# Altium PCB PCB3.PcbDoc (part 1 of 8) (continued)
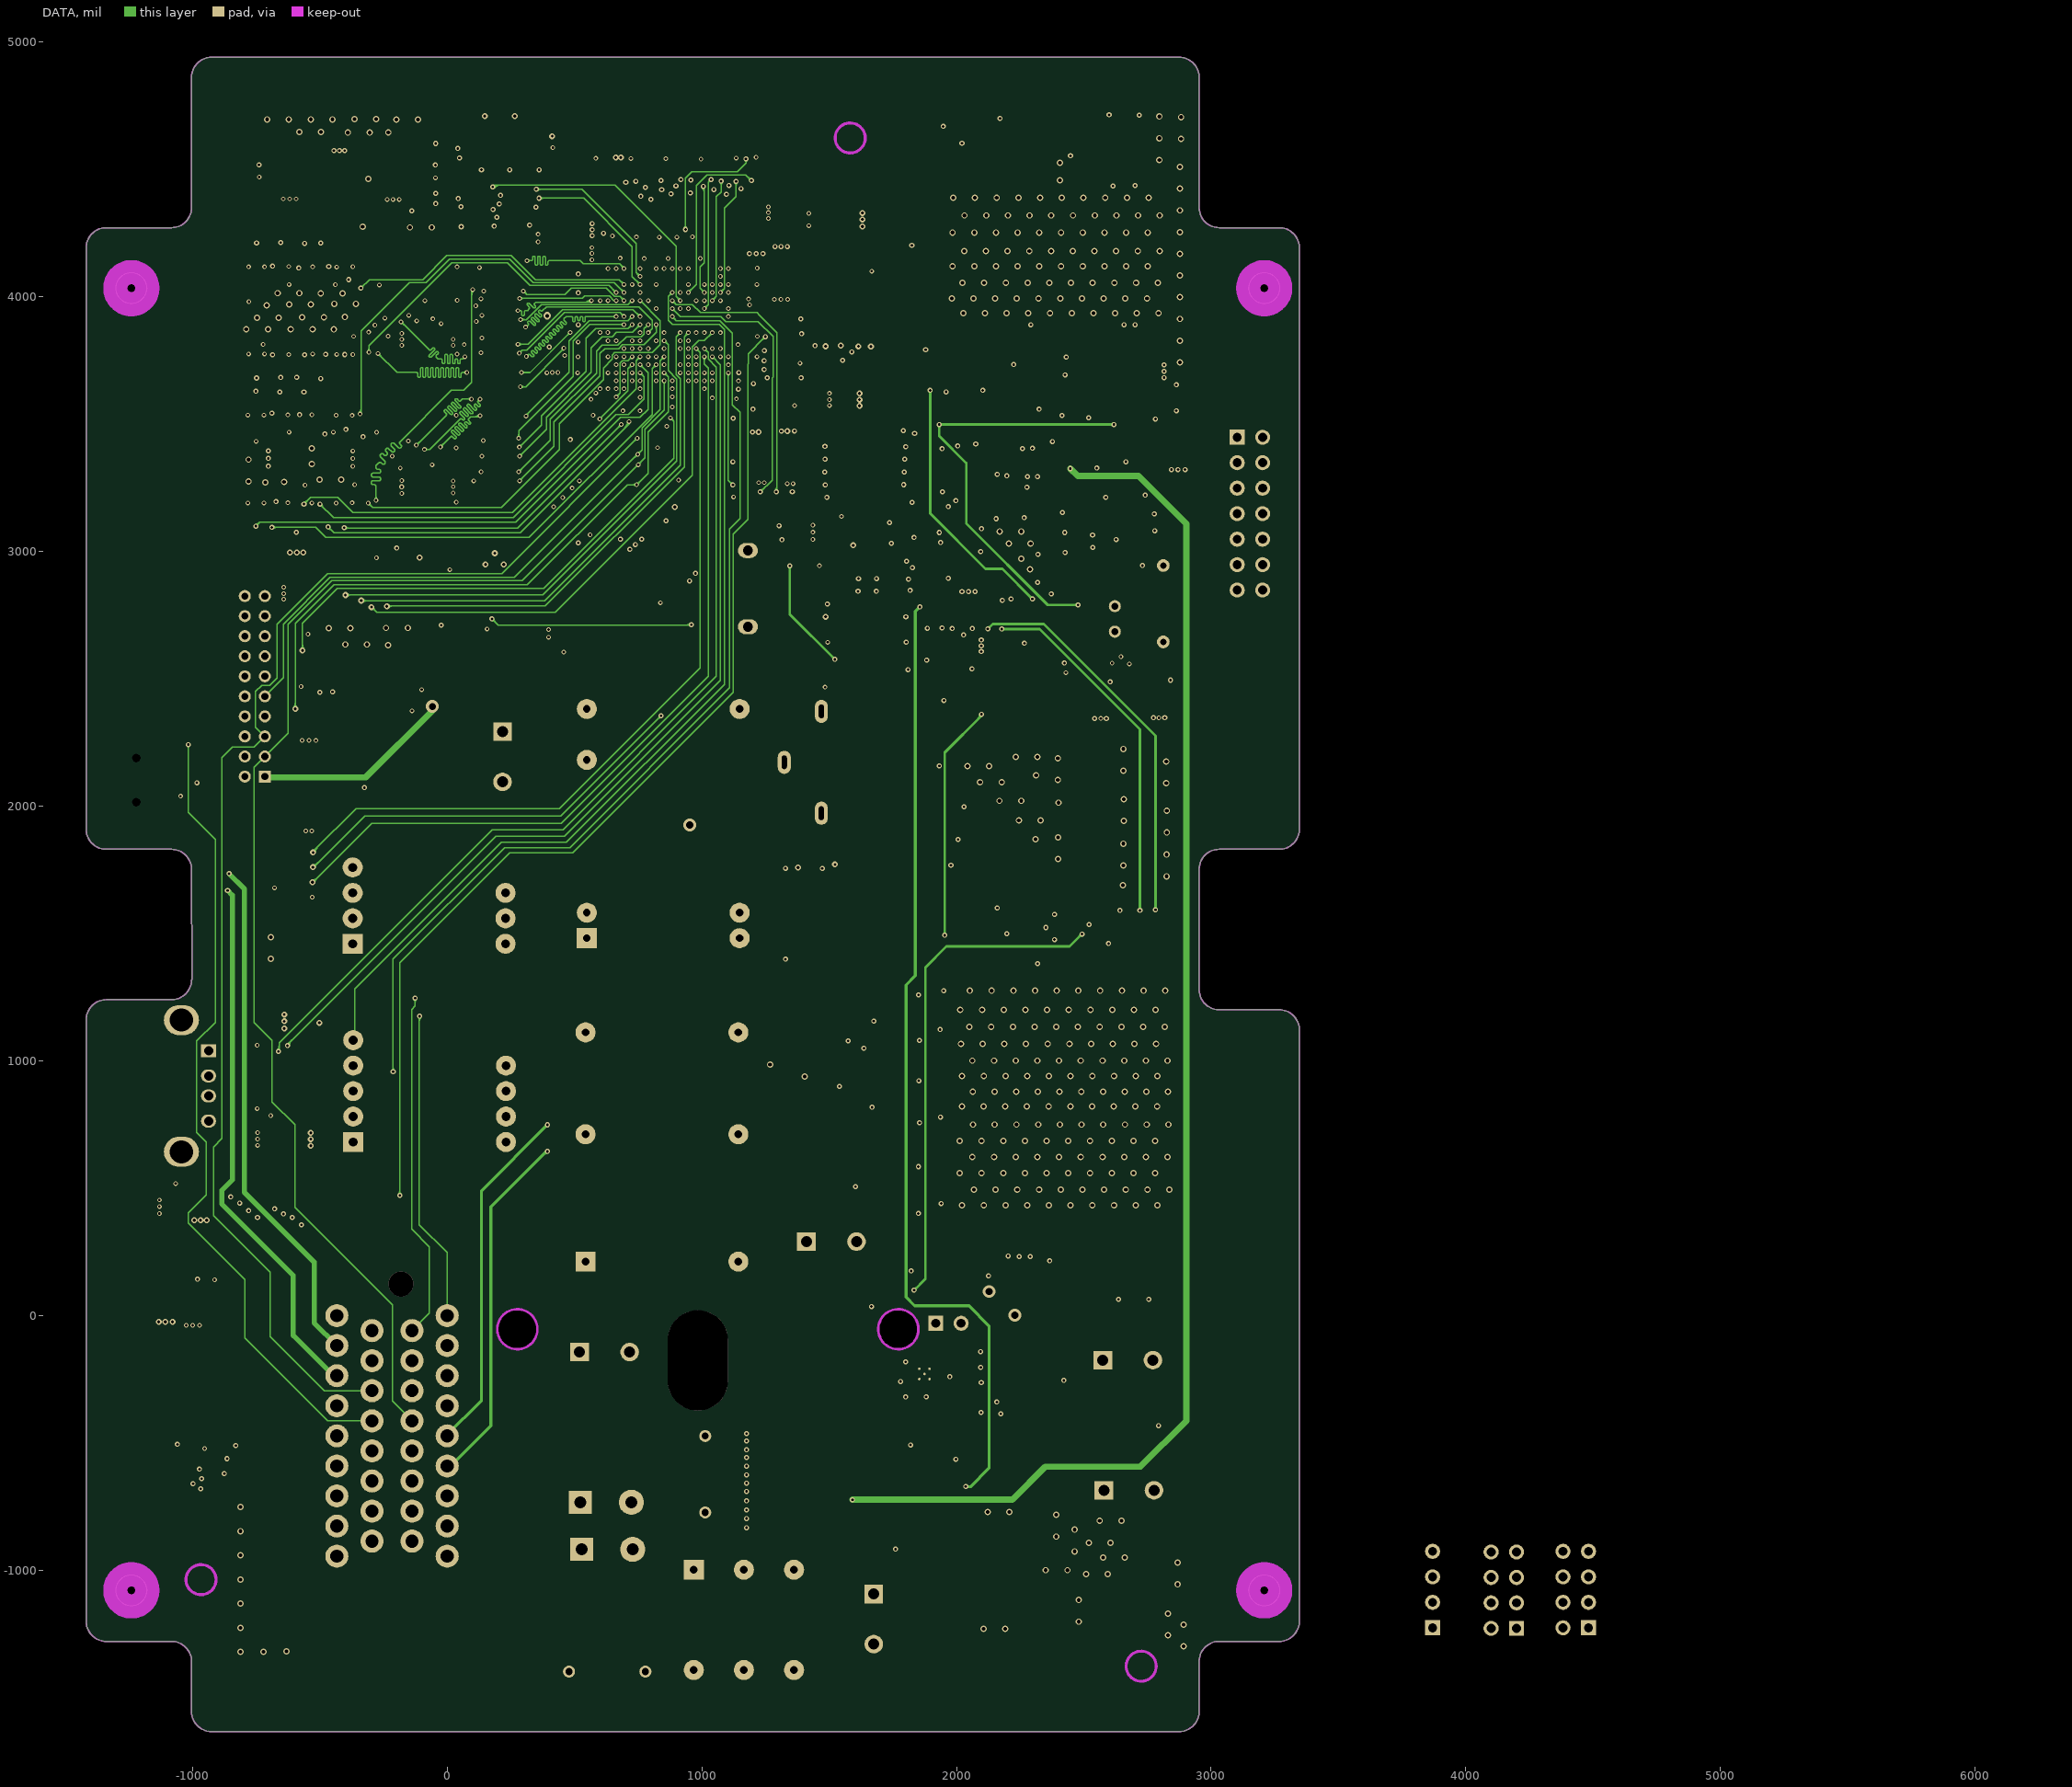
[diagram p4: DATA]
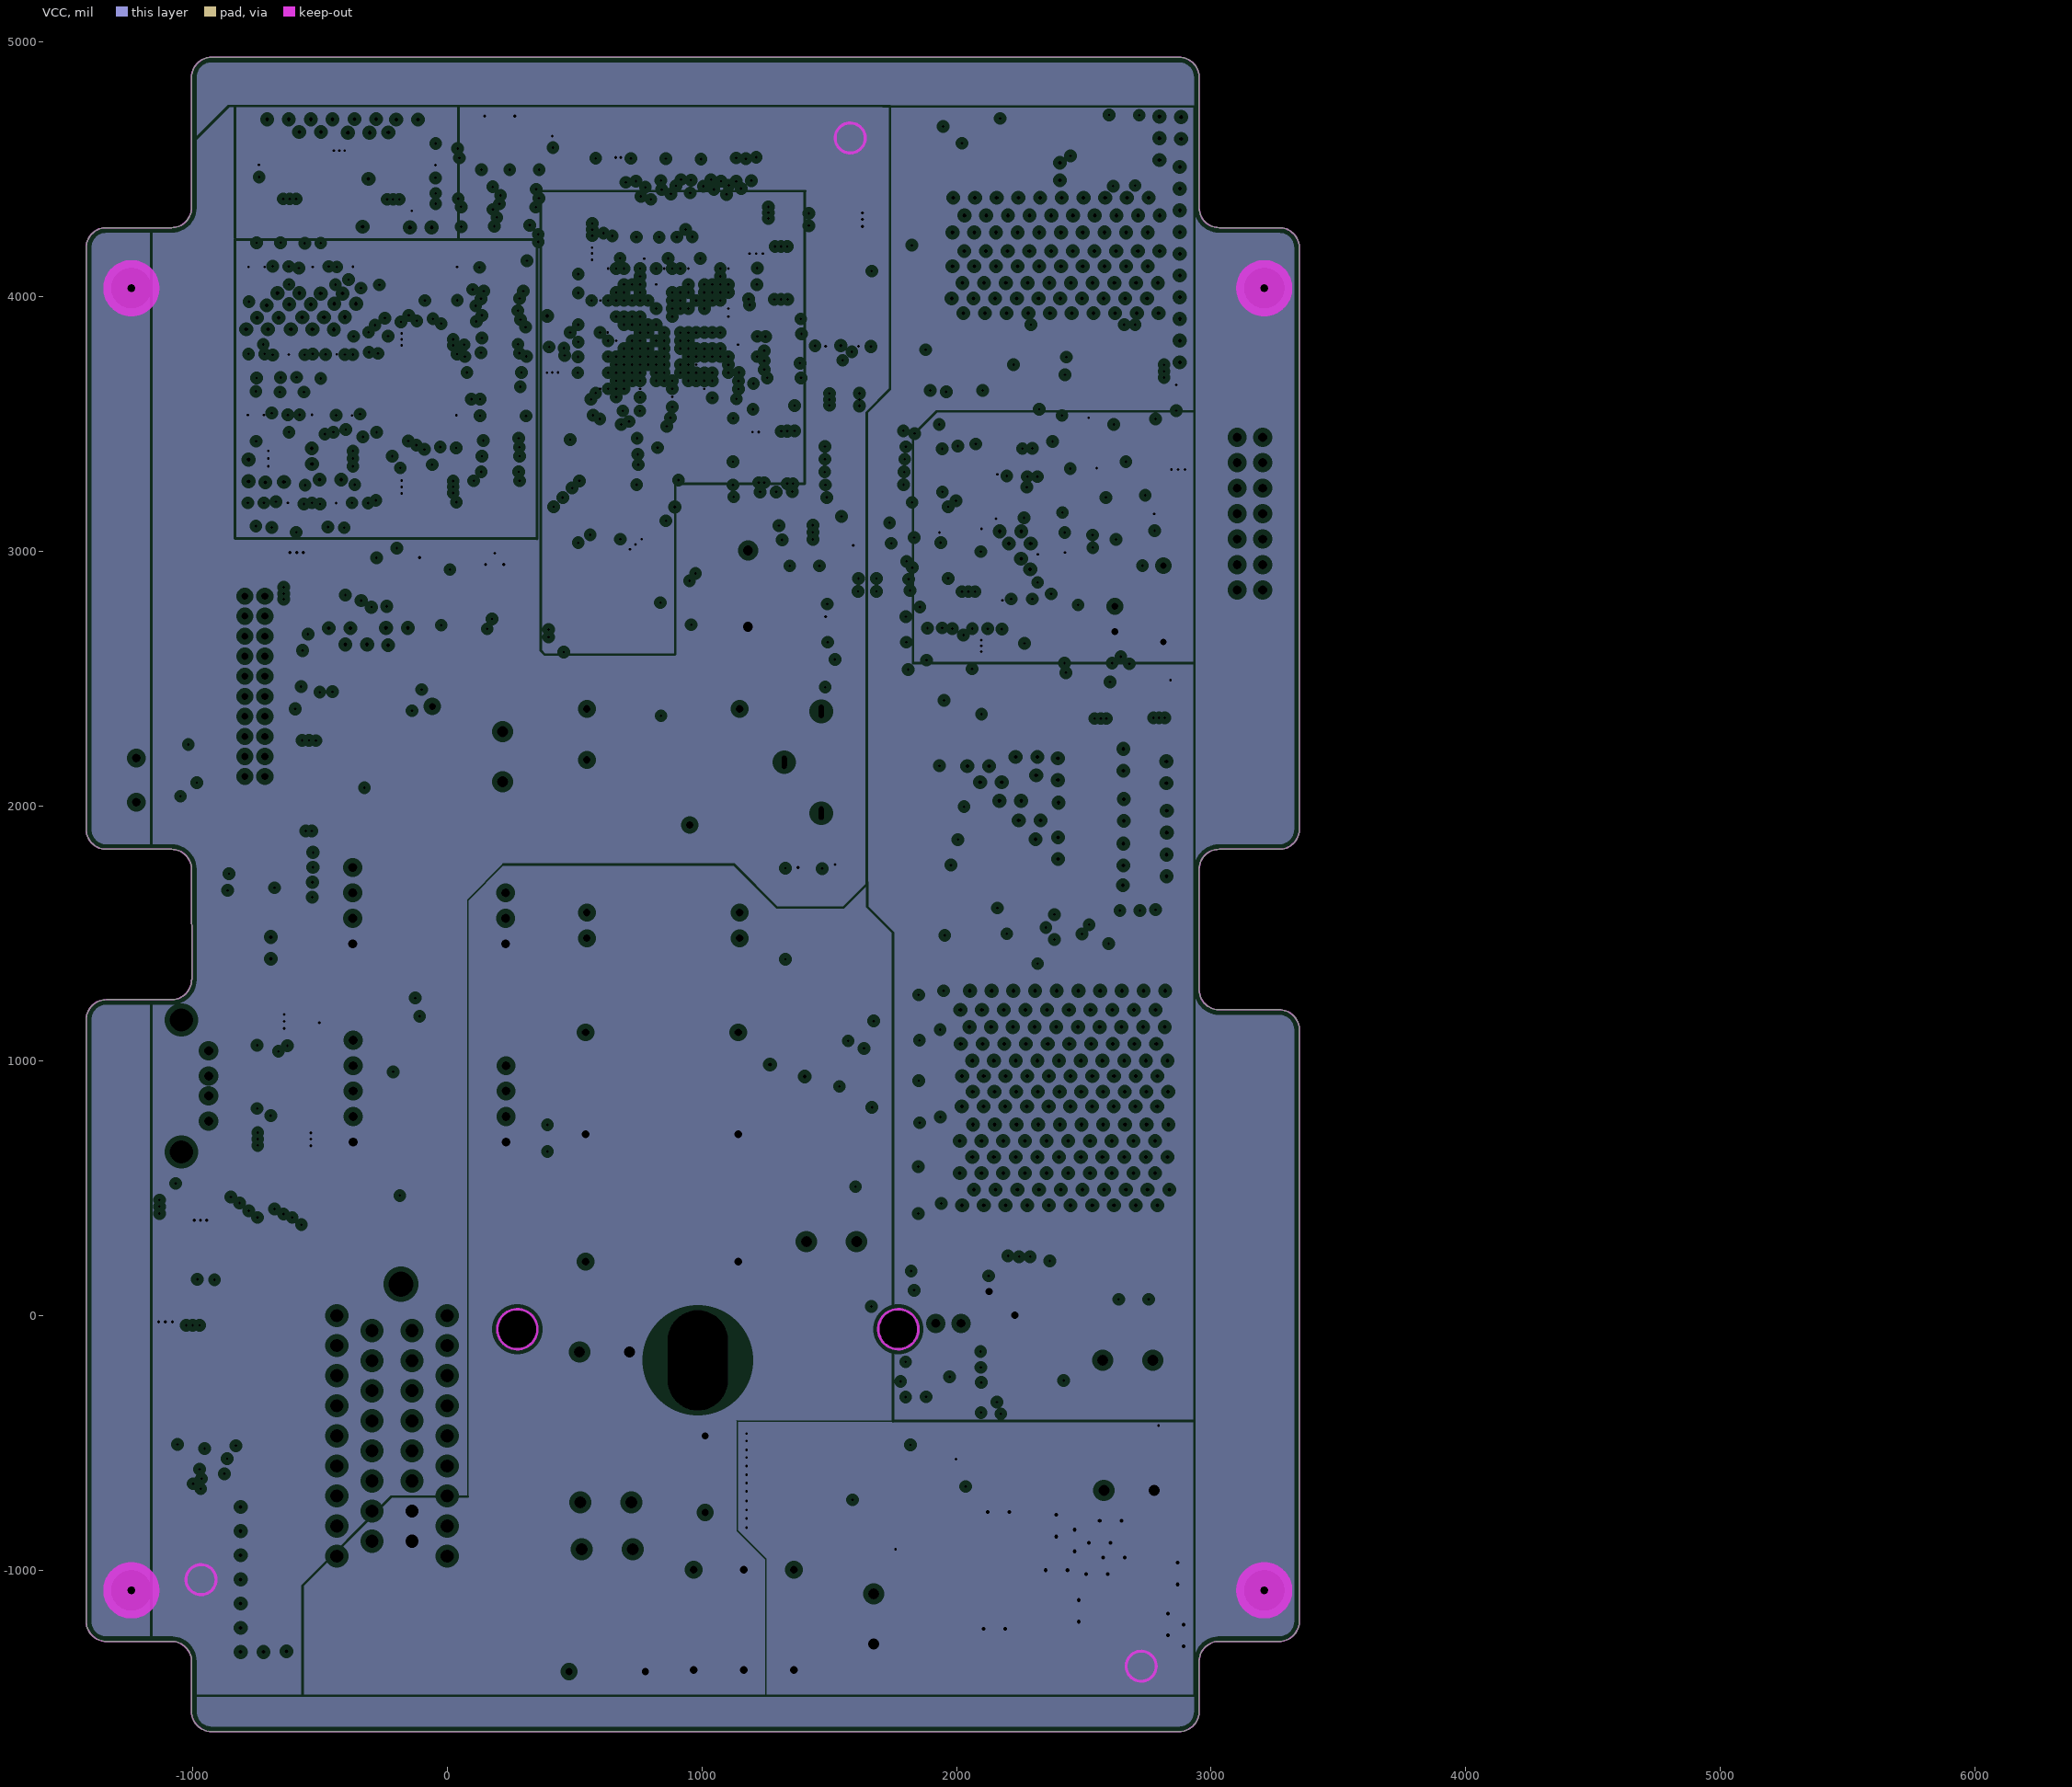
[diagram p5: VCC, clearances drawn from the general rule]
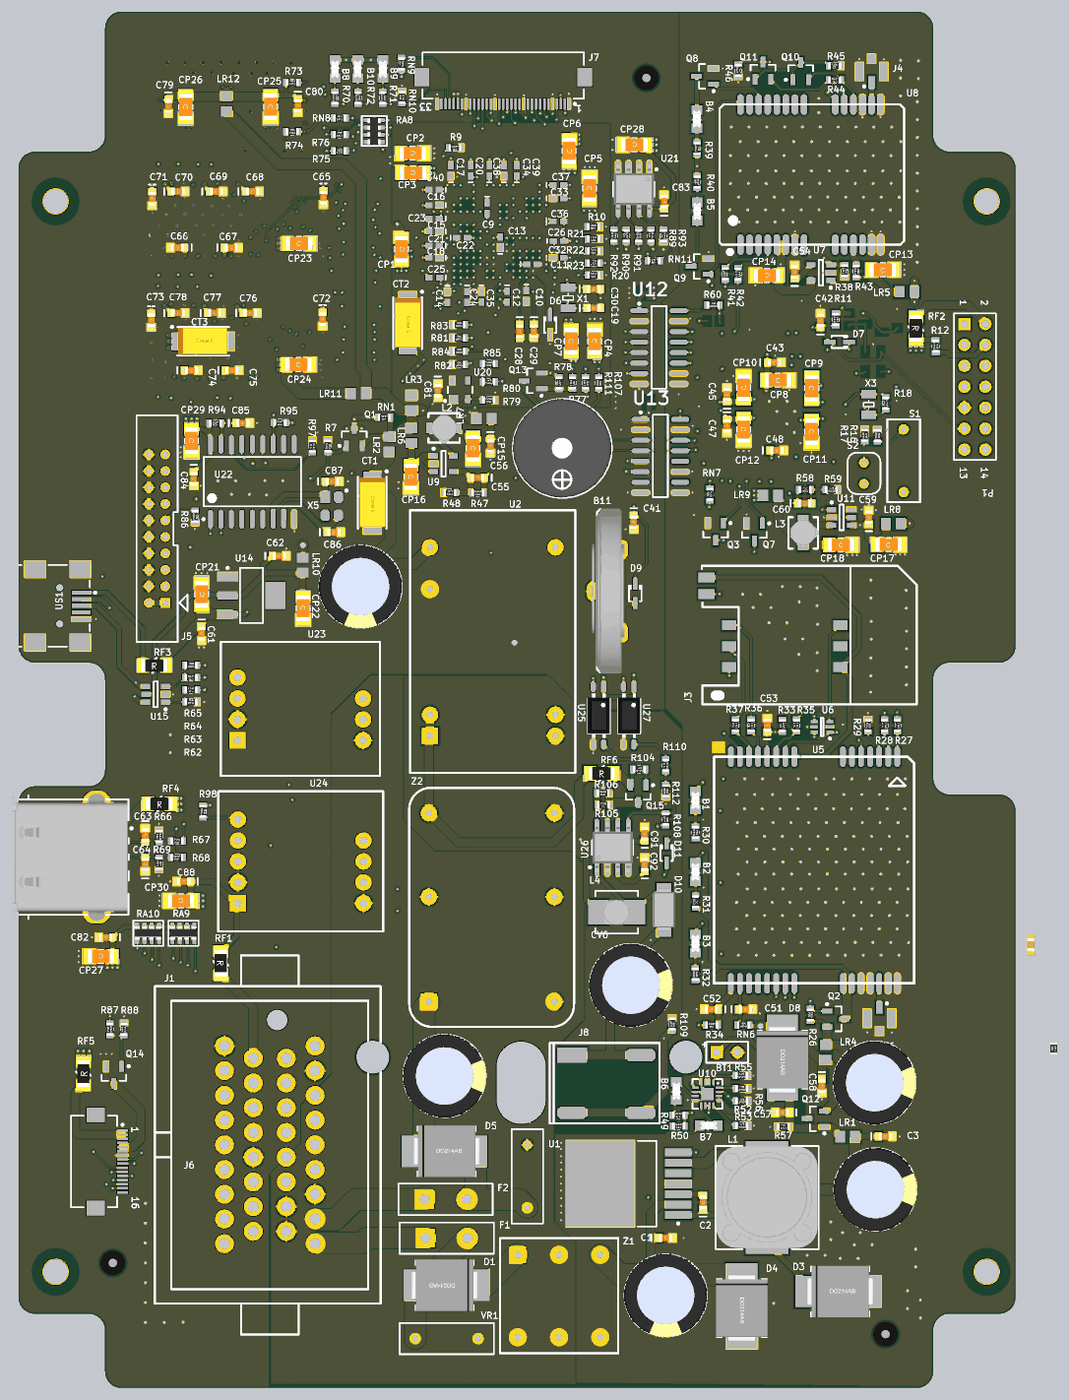
[diagram p13: 3D render of the assembled board from above, using the file's embedded part models]
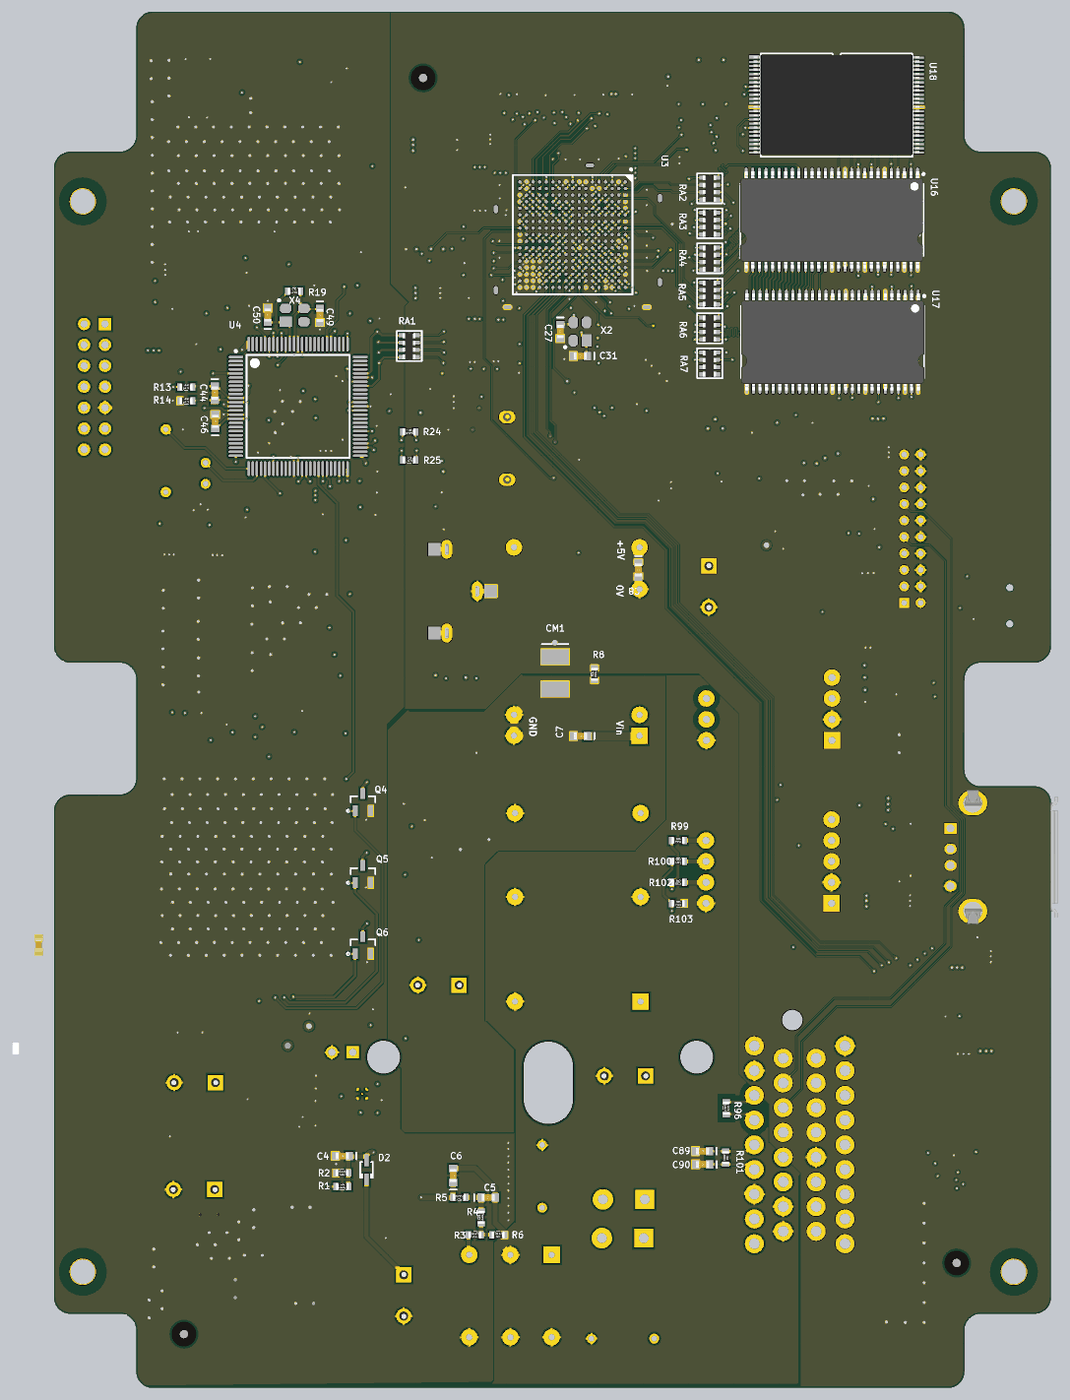
[diagram p14: 3D render of the assembled board from below, using the file's embedded part models]

## Layer stack, top to bottom
Top Layer: signal copper 1.4
Dielectric: core 9.4488, FR-4, Dk 4.8
GND: plane copper 1.4, net (Multiple Nets)
Dielectric: prepreg 18.1102, FR-4, Dk 4.8
ADDR: signal copper 1.4
Dielectric: core 14.1732, FR-4, Dk 4.8
DATA: signal copper 1.4
Dielectric: prepreg 18.1102, FR-4, Dk 4.8
VCC: plane copper 1.4, net (Multiple Nets)
Dielectric: core 9.4488, FR-4, Dk 4.8
Bottom Layer: signal copper 1.4

## Board outline
-1417.32,-1200.72 ccw(c-1338.58,-1200.72) -1338.58,-1279.46 -1082.42,-1279.46 cw(c-1082.42,-1358.2) -1003.68,-1358.2 -1003.68,-1555.12 ccw(c-924.94,-1555.12) -924.94,-1633.86 2874.28,-1633.86 ccw(c2874.28,-1555.12) 2953.02,-1555.12 2953.02,-1358.2 cw(c3031.76,-1358.2) 3031.76,-1279.46 3267.72,-1279.46 ccw(c3267.72,-1200.72) 3346.46,-1200.72 3346.46,1122.12 ccw(c3267.72,1122.12) 3267.72,1200.86 3031.76,1200.86 cw(c3031.76,1279.6) 2953.02,1279.6 2953.02,1752.04 cw(c3031.76,1752.04) 3031.76,1830.78 3267.72,1830.78 ccw(c3267.72,1909.52) 3346.46,1909.52 3346.46,4192.98 ccw(c3267.72,4192.98) 3267.72,4271.72 3031.76,4271.72 cw(c3031.76,4350.46) 2953.02,4350.46 2953.02,4862.28 ccw(c2874.28,4862.28) 2874.28,4941.02 -924.94,4941.02 ccw(c-924.94,4862.28) -1003.68,4862.28 -1003.68,4350.46 cw(c-1082.42,4350.46) -1082.42,4271.72 -1338.58,4271.72 ccw(c-1338.58,4192.98) -1417.32,4192.98 -1417.32,1909.52 ccw(c-1338.58,1909.52) -1338.58,1830.78 -1082.42,1830.78 cw(c-1082.42,1752.04) -1003.68,1752.04 -1002.95,1317.92 -1003.68,1318.9 cw(c-1082.42,1318.9) -1082.42,1240.16 -1338.58,1240.16 ccw(c-1338.58,1161.42) -1417.32,1161.42

## Design rules (kind name [scope] priority, off if disabled: settings)
Clearance Clearance_Polygon_All [InNamedPolygon('VDD3V30') Or  InNamedPolygon('Top Layer-No Net') Or  InNamedPolygon('Top Layer-No Net') Or  InNamedPolygon('Top Layer-DGND') Or  InNamedPolygon('Top Layer-EGND') Or  InNamedPolygon('Top Layer-No Net') Or  InNamedPolygon('Top Layer-No Net') Or  InNamedPolygon('Top Layer-No Net') Or  InNamedPolygon('Top Layer-No Net')] p1: gap=4
Clearance Clearance_DDR_Poly_25mil [IsTrack and (InNetClass('DDR_CTL') or InNetClass('DDR_CTL0') or InNetClass('DDR_D0') or InNetClass('DDR_D1') or InNetClass('DDR_D2') or InNetClass('DDR_D3') ) vs InPoly] p2: gap=25
Clearance Clearance_Via_CPU [IsVia vs InComponentClass('01-CPU1')] p3: gap=4
Clearance Clearance_diffpair_Poly_25mil [InDifferentialPairClass('All Differential Pairs') vs InPoly] p4: gap=25
Clearance Clearance_PAD_Poly_10mil [IsPad vs InPoly] p5: gap=10
Clearance Clearance_VIA_Poly_6mil [IsVia vs InPoly] p6: gap=6
Clearance [All] p7: gap=4
DiffPairsRouting [All] p1: maxlimit=10 minlimit=10 mostfreqgap=10 maxuncoupledlength=500
Length Length_DDR [(InNetClass('DDR_CTLL') OR InNetClass('DDR_CTLR'))] p1: maxlimit=2080 minlimit=1780
PlaneClearance [All] p1: clearance=20
PlaneConnect [All] p1: planeconnectstyle=Direct reliefexpansion=20 reliefentries=4 reliefconductorwidth=10 reliefairgap=10
PolygonConnect PolygonConnect_BigCurrent [InPadClass('Big_Cu') vs IsPoly] p1: connectstyle=Direct reliefconductorwidth=10 reliefentries=4 polygonreliefangle="90 Angle" airgapwidth=10
PolygonConnect PolygonConnect_THRU [IsThruPin vs IsPoly] p2: connectstyle=Relief reliefconductorwidth=10 reliefentries=4 polygonreliefangle="90 Angle" airgapwidth=10
PolygonConnect PolygonConnect_VIA [IsVIA or IsSMTPin vs IsPoly] p3: connectstyle=Direct reliefconductorwidth=10 reliefentries=4 polygonreliefangle="90 Angle" airgapwidth=10
PolygonConnect [All] p4: connectstyle=Relief reliefconductorwidth=10 reliefentries=4 polygonreliefangle="90 Angle" airgapwidth=10
RoomDefinition CD4060BM_硬件定时器 [InComponentClass('CD4060BM_硬件定时器')] p1: confinementstyle=ConfineIn formatcopy=TRUE lockcomponents=FALSE outline 3391.46,105.59 6237.46,105.59 6237.46,643.59 3391.46,643.59
RoomDefinition 08-IIC [InComponentClass('08-IIC')] p2: confinementstyle=ConfineIn formatcopy=TRUE lockcomponents=FALSE outline 1400.37,4394.46 1400.37,3718.28 1713.16,3718.28 1718.28,3723.98 1713.16,3729.69 1713.16,4394.46
RoomDefinition 07-LVDS [InComponentClass('07-LVDS')] p3: confinementstyle=ConfineIn formatcopy=TRUE lockcomponents=FALSE outline 360.24,4753.94 360.24,4437.99 361.22,4438.98 1366.14,4438.98 1366.14,4751.97 1367.13,4752.95
RoomDefinition 06-Key [InComponentClass('06-Key')] p4: confinementstyle=ConfineIn formatcopy=TRUE lockcomponents=FALSE outline -2053.15,678.15 -2052.04,676.97 -2052.04,-888.78 -451.77,-888.78 -451.77,678.15
RoomDefinition 06-JTAG [InComponentClass('06-JTAG')] p5: confinementstyle=ConfineIn formatcopy=TRUE lockcomponents=FALSE outline -898.62,3505.91 -898.62,1905.51 895.67,1905.51 895.67,3505.91
RoomDefinition 05-RTC [InComponentClass('05-RTC')] p6: confinementstyle=ConfineIn formatcopy=TRUE lockcomponents=FALSE outline 1199.8,2627.95 1199.8,1762.8 1591.54,1762.8 1591.54,2627.95
RoomDefinition 05-RESET [InComponentClass('05-RESET')] p7: confinementstyle=ConfineIn formatcopy=TRUE lockcomponents=FALSE outline 493.11,2785.43 493.11,3231.3 917.32,3231.3 917.32,2785.43
RoomDefinition 04-蜂鸣器 [InComponentClass('04-蜂鸣器')] p8: confinementstyle=ConfineIn formatcopy=TRUE lockcomponents=FALSE outline 923.23,2599.41 923.23,3270.67 1479.33,3270.67 1479.33,2599.41
RoomDefinition 04-FLASH [InComponentClass('04-FLASH')] p9: confinementstyle=ConfineIn formatcopy=TRUE lockcomponents=FALSE outline -835.63,4796.26 -835.63,4225.39 423.23,4225.39 423.23,4796.26
RoomDefinition 03-指示灯 [InComponentClass('03-指示灯')] p10: confinementstyle=ConfineIn formatcopy=TRUE lockcomponents=FALSE outline 49.21,4744.09 49.21,4472.44 385.83,4472.44 385.83,4744.09
RoomDefinition 03-MEM [InComponentClass('03-MEM')] p11: confinementstyle=ConfineIn formatcopy=TRUE lockcomponents=FALSE outline -872.05,4230.32 -872.05,3039.37 333.66,3039.37 333.66,4230.32
RoomDefinition "02-USB Host" [InComponentClass('02-USB Host')] p12: confinementstyle=ConfineIn formatcopy=TRUE lockcomponents=FALSE outline -1582.68,1348.43 -1582.68,559.06 -420.28,559.06 -420.28,1348.43
RoomDefinition "01-USB Device" [InComponentClass('01-USB Device')] p13: confinementstyle=ConfineIn formatcopy=TRUE lockcomponents=FALSE outline -1467.52,2438.98 -1467.52,1448.82 52.17,1448.82 52.17,2438.98
RoomDefinition 01-CPU1 [InComponentClass('01-CPU1')] p14: confinementstyle=ConfineIn formatcopy=TRUE lockcomponents=FALSE outline 345.47,2987.2 1407.46,2987.2 1407.46,4419.04 345.47,4419.04
RoomDefinition 09-CAN [InComponentClass('09-CAN')] p15: confinementstyle=ConfineIn formatcopy=TRUE lockcomponents=FALSE outline -658.46,3060.04 -658.46,1263.78 464.57,1263.78 464.57,3058.34 462.86,3060.04
RoomDefinition 上电检测 [InComponentClass('上电检测')] p16: confinementstyle=ConfineIn formatcopy=TRUE lockcomponents=FALSE outline 1424,2437 2032.48,2437 2032.48,3576.77 1424,3576.77
RoomDefinition LTC3560-3.3-800mA_电源 [InComponentClass('LTC3560-3.3-800mA_电源')] p17: confinementstyle=ConfineIn formatcopy=TRUE lockcomponents=FALSE outline 1792.32,2330.71 2884.84,2330.71 2884.84,2763.78 1792.32,2763.78
RoomDefinition BQ24073_锂电池充电 [InComponentClass('BQ24073_锂电池充电')] p18: confinementstyle=ConfineIn formatcopy=TRUE lockcomponents=FALSE outline 1685.04,167.32 2658.46,167.32 2658.46,-612.15 1685.04,-612.15
RoomDefinition 系统电路 [InComponentClass('系统电路')] p19: confinementstyle=ConfineIn formatcopy=TRUE lockcomponents=FALSE outline 3903.46,5516.85 4403.46,5516.85 4403.46,5756.85 3903.46,5756.85
RoomDefinition 11-NCP3063_LCD背光 [InComponentClass('11-NCP3063_LCD背光')] p20: confinementstyle=ConfineIn formatcopy=TRUE lockcomponents=FALSE outline 1090.55,-444.88 1745.08,-444.88 1745.08,3256.89 1090.55,3256.89
RoomDefinition 10-RS485 [InComponentClass('10-RS485')] p21: confinementstyle=ConfineIn formatcopy=TRUE lockcomponents=FALSE outline -742.13,526.57 422.24,526.57 422.24,1258.86 -742.13,1258.86
RoomDefinition "MAIN POWER" [InComponentClass('MAIN POWER')] p22: confinementstyle=ConfineIn formatcopy=TRUE lockcomponents=FALSE outline -28.54,3038.39 2906.46,3038.39 2906.46,-1478.35 -28.54,-1478.35
RoomDefinition LM3670_1.3电源 [InComponentClass('LM3670_1.3电源')] p23: confinementstyle=ConfineIn formatcopy=TRUE lockcomponents=FALSE outline 414.37,2592.51 931.17,2592.51 931.17,3148.62 414.37,3148.62
RoomDefinition INTERFACE [InComponentClass('INTERFACE')] p24: confinementstyle=ConfineIn formatcopy=TRUE lockcomponents=FALSE outline -921.54,-1413.62 498.46,-1413.62 498.46,536.38 -921.54,536.38
RoomDefinition 03-GPS [InComponentClass('03-GPS')] p25: confinementstyle=ConfineIn formatcopy=TRUE lockcomponents=FALSE outline 1715.53,3594.92 2918.31,3594.92 2918.31,4751.26 1715.53,4751.26
RoomDefinition 02-GPRS [InComponentClass('02-GPRS')] p26: confinementstyle=ConfineIn formatcopy=TRUE lockcomponents=FALSE outline 1724.41,-459.89 2902.56,-459.89 2902.56,2560.04 1724.41,2560.04
RoomDefinition 02-CPU2 [InComponentClass('02-CPU2')] p27: confinementstyle=ConfineIn formatcopy=TRUE lockcomponents=FALSE outline 1232.26,2591.97 1817.89,2591.97 1817.89,4407.91 1232.26,4407.91
RoomDefinition 01-MSP430 [InComponentClass('01-MSP430')] p28: confinementstyle=ConfineIn formatcopy=TRUE lockcomponents=FALSE outline 1709.46,2373.03 3351.38,2373.03 3351.38,3595.47 1709.46,3595.47
RoutingVias [All] p1: holewidth=10 width=18 viastyle="Through Hole" minholewidth=10 minwidth=18 maxholewidth=30 maxwidth=50
SolderMaskExpansion [All] p1: expansion=4
Width [All] p1: maxlimit=100 minlimit=4 preferedwidth=6
25 further rules are at their usual default settings.

## Classes and differential pairs
component class CD4060BM_硬件定时器: C93 C94 C95 Q16 R113 R114 R115 R116 U28 U29 X6
net class USB: USBD1_N USBD1_P USBH0_N USBH0_P
net class IIC: I2CSCL I2CSDA
pad class Big_Current_Throu_Pad: C1-1
component class 04-蜂鸣器: Q13 R77 R78 U19
component class 系统电路: M1 M2 M3
component class 06-Key: C82 CP27 J6 Q14 R87 R88 RA9 RA10 RF5
component class 03-指示灯: B8 B9 B10 R70 R71 R72
component class "01-USB Device": C61 C62 CP21 CP22 LR10 R62 R63 R64 R65 RF3 U14 U15 US1
component class 05-RTC: B11 D9
component class 05-RESET: C81 R79 R80 U20
component class "MAIN POWER": C1 C2 C3 C4 C5 C6 C7 C8 CM1 CT1 CV1 CV2 CV3 CV4 D1 D2 D3 D4 D5 F1 F2 L1 LR1 LR2 Q1 R1 R2 R3 R4 R5 R6 R7 R8 RN1 U1 U2 VR1 VR2 Z1 Z2
component class 07-LVDS: J7 RN9 RN10
component class LTC3560-3.3-800mA_电源: C59 C60 CP17 CP18 L3 LR8 LR9 R58 R59 U11
component class LM3670_1.3电源: C55 C56 CP15 CP16 L2 LR6 LR7 R47 R48 U9
component class 06-JTAG: J5 R81 R82 R83 R84 R85 R86
component class INTERFACE: J1 RF1
component class 08-IIC: C83 CP28 R89 R90 R91 R92 R93 RN11 U21
component class BQ24073_锂电池充电: B6 B7 BT1 C57 C58 D8 PGOOD Q12 R49 R50 R51 R52 R53 R54 R55 R56 R57 RN7 U10
component class 11-NCP3063_LCD背光: C91 C92 CV6 D10 D11 J8 L4 Q15 R104 R105 R106 R107 R108 R109 R110 R111 R112 RF6 U25 U26 U27
component class 10-RS485: C88 C89 C90 CP30 R98 R99 R100 R101 R102 R103 U24
component class 09-CAN: C84 C85 C86 C87 CP29 R94 R95 R96 R97 U22 U23 X5
component class 03-MEM: C65 C66 C67 C68 C69 C70 C71 C72 C73 C74 C75 C76 C77 C78 CP23 CP24 CT3 LR11 RA2 RA3 RA4 RA5 RA6 RA7 U16 U17
component class 03-GPS: B4 B5 C54 CP13 CP14 J4 LR5 Q8 Q9 Q10 Q11 R38 R39 R40 R41 R42 R43 R44 R45 R46 U7 U8
component class 04-FLASH: C79 C80 CP25 CP26 LR12 R73 R74 R75 R76 RA8 RN8 U18
component class 02-GPRS: B1 B2 B3 C51 C52 C53 CV5 J2 J3 LR4 Q2 Q3 Q4 Q5 Q6 Q7 R26 R27 R28 R29 R30 R31 R32 R33 R34 R35 R36 R37 RN6 U5 U6
component class 02-CPU2: R20 R21 R22 R23 R24 R25 RA1 RN2 RN3 RN4 RN5
component class 01-MSP430: C42 C43 C44 C45 C46 C47 C48 C49 C50 CP8 CP9 CP10 CP11 CP12 D7 P1 P2 P3 P4 R11 R12 R13 R14 R15 R16 R17 R18 R19 RF2 S1 S2 U4 X3 X4
component class 01-CPU1: C9 C10 C11 C12 C13 C14 C15 C16 C17 C18 C19 C20 C21 C22 C23 C24 C25 C26 C27 C28 C29 C30 C31 C32 C33 C34 C35 C36 C37 C38 C39 C40 C41 CP1 CP2 CP3 CP4 CP5 CP6 CP7 CT2 D6 LR3 R9 R10 RD1 RD2 RD3 RD4 RD5 RD6 RD7 RD8 RD9 U3 X1 X2
net class DDR_CTLR: ALADDR6 ALADDR7 ALADDR8 ALADDR9 ALADDR10 ALADDR11 ALADDR13 ALADDR14 ALSCKE ALSCLK0 ALSCLK1 LADDR6 LADDR7 LADDR8 LADDR9 LADDR10 LADDR11 LADDR13 LADDR14 LSCKE LSCLK0 LSCLK1
net class DDR_D0: LDATA0 LDATA1 LDATA2 LDATA3 LDATA4 LDATA5 LDATA6 LDATA7 LDNWBE0
net class DDR_D1: LDATA8 LDATA9 LDATA10 LDATA11 LDATA12 LDATA13 LDATA14 LDATA15 LDNWBE1
net class DDR_D2: LDATA16 LDATA17 LDATA18 LDATA19 LDATA20 LDATA21 LDATA22 LDATA23 LDNWBE2
net class DDR_D3: LDATA24 LDATA25 LDATA26 LDATA27 LDATA28 LDATA29 LDATA30 LDATA31 LDNWBE3
component class "02-USB Host": C63 C64 R66 R67 R68 R69 RF4 US2
component class 上电检测: CP19 CP20 R60 R61 U12 U13
net class DDR_CTLL: ALADDR2 ALADDR3 ALADDR4 ALADDR5 ALADDR12 ALADDR24 ALADDR25 ALNSCAS ALNSCS0 ALNSRAS ALNWE LADDR2 LADDR3 LADDR4 LADDR5 LADDR12 LADDR24 LADDR25 LNSCAS LNSCS0 LNSRAS LNWE
net class JTAG: NTRST RESET TCK TDI TDO TMS
net class SPI0: EINT9/GPG1 NSS0/EINT10/GPG2 SPICLK/GPE13 SPIMISO/GPE11 SPIMOSI/GPE12
net class Nand_CON: GPG13 GPG14 GPG15 NCON
net class SPI1: NSS1/EINT11/GPG3 SPICLK1/GPG7 SPISI1/GPG6 SPISO1/GPG5
net class LCD: GPC1/VCLK GPC2/VLINE GPC3/VFRAME GPC4/VM LVD2 LVD3 LVD4 LVD5 LVD6 LVD7 LVD10 LVD11 LVD12 LVD13 LVD14 LVD15 LVD18 LVD19 LVD20 LVD21 LVD22 LVD23
net class LED: BACK BREQ DACK DREQ
net class Flash: AFALE AFCLE AFNFCE AFNFRE AFNFWE AFRNB FALE FCLE FNFCE FNFRE FNFWE FRNB GPB10/NAND
differential pair USB1: +USB1_P -USB1_N
differential pair CAN: +CAN_P -CAN_N
differential pair USB0: +USB0_P -USB0_N
